# Altium PCB SmartHaloV1.PcbDoc (part 1 of 4) (continued)
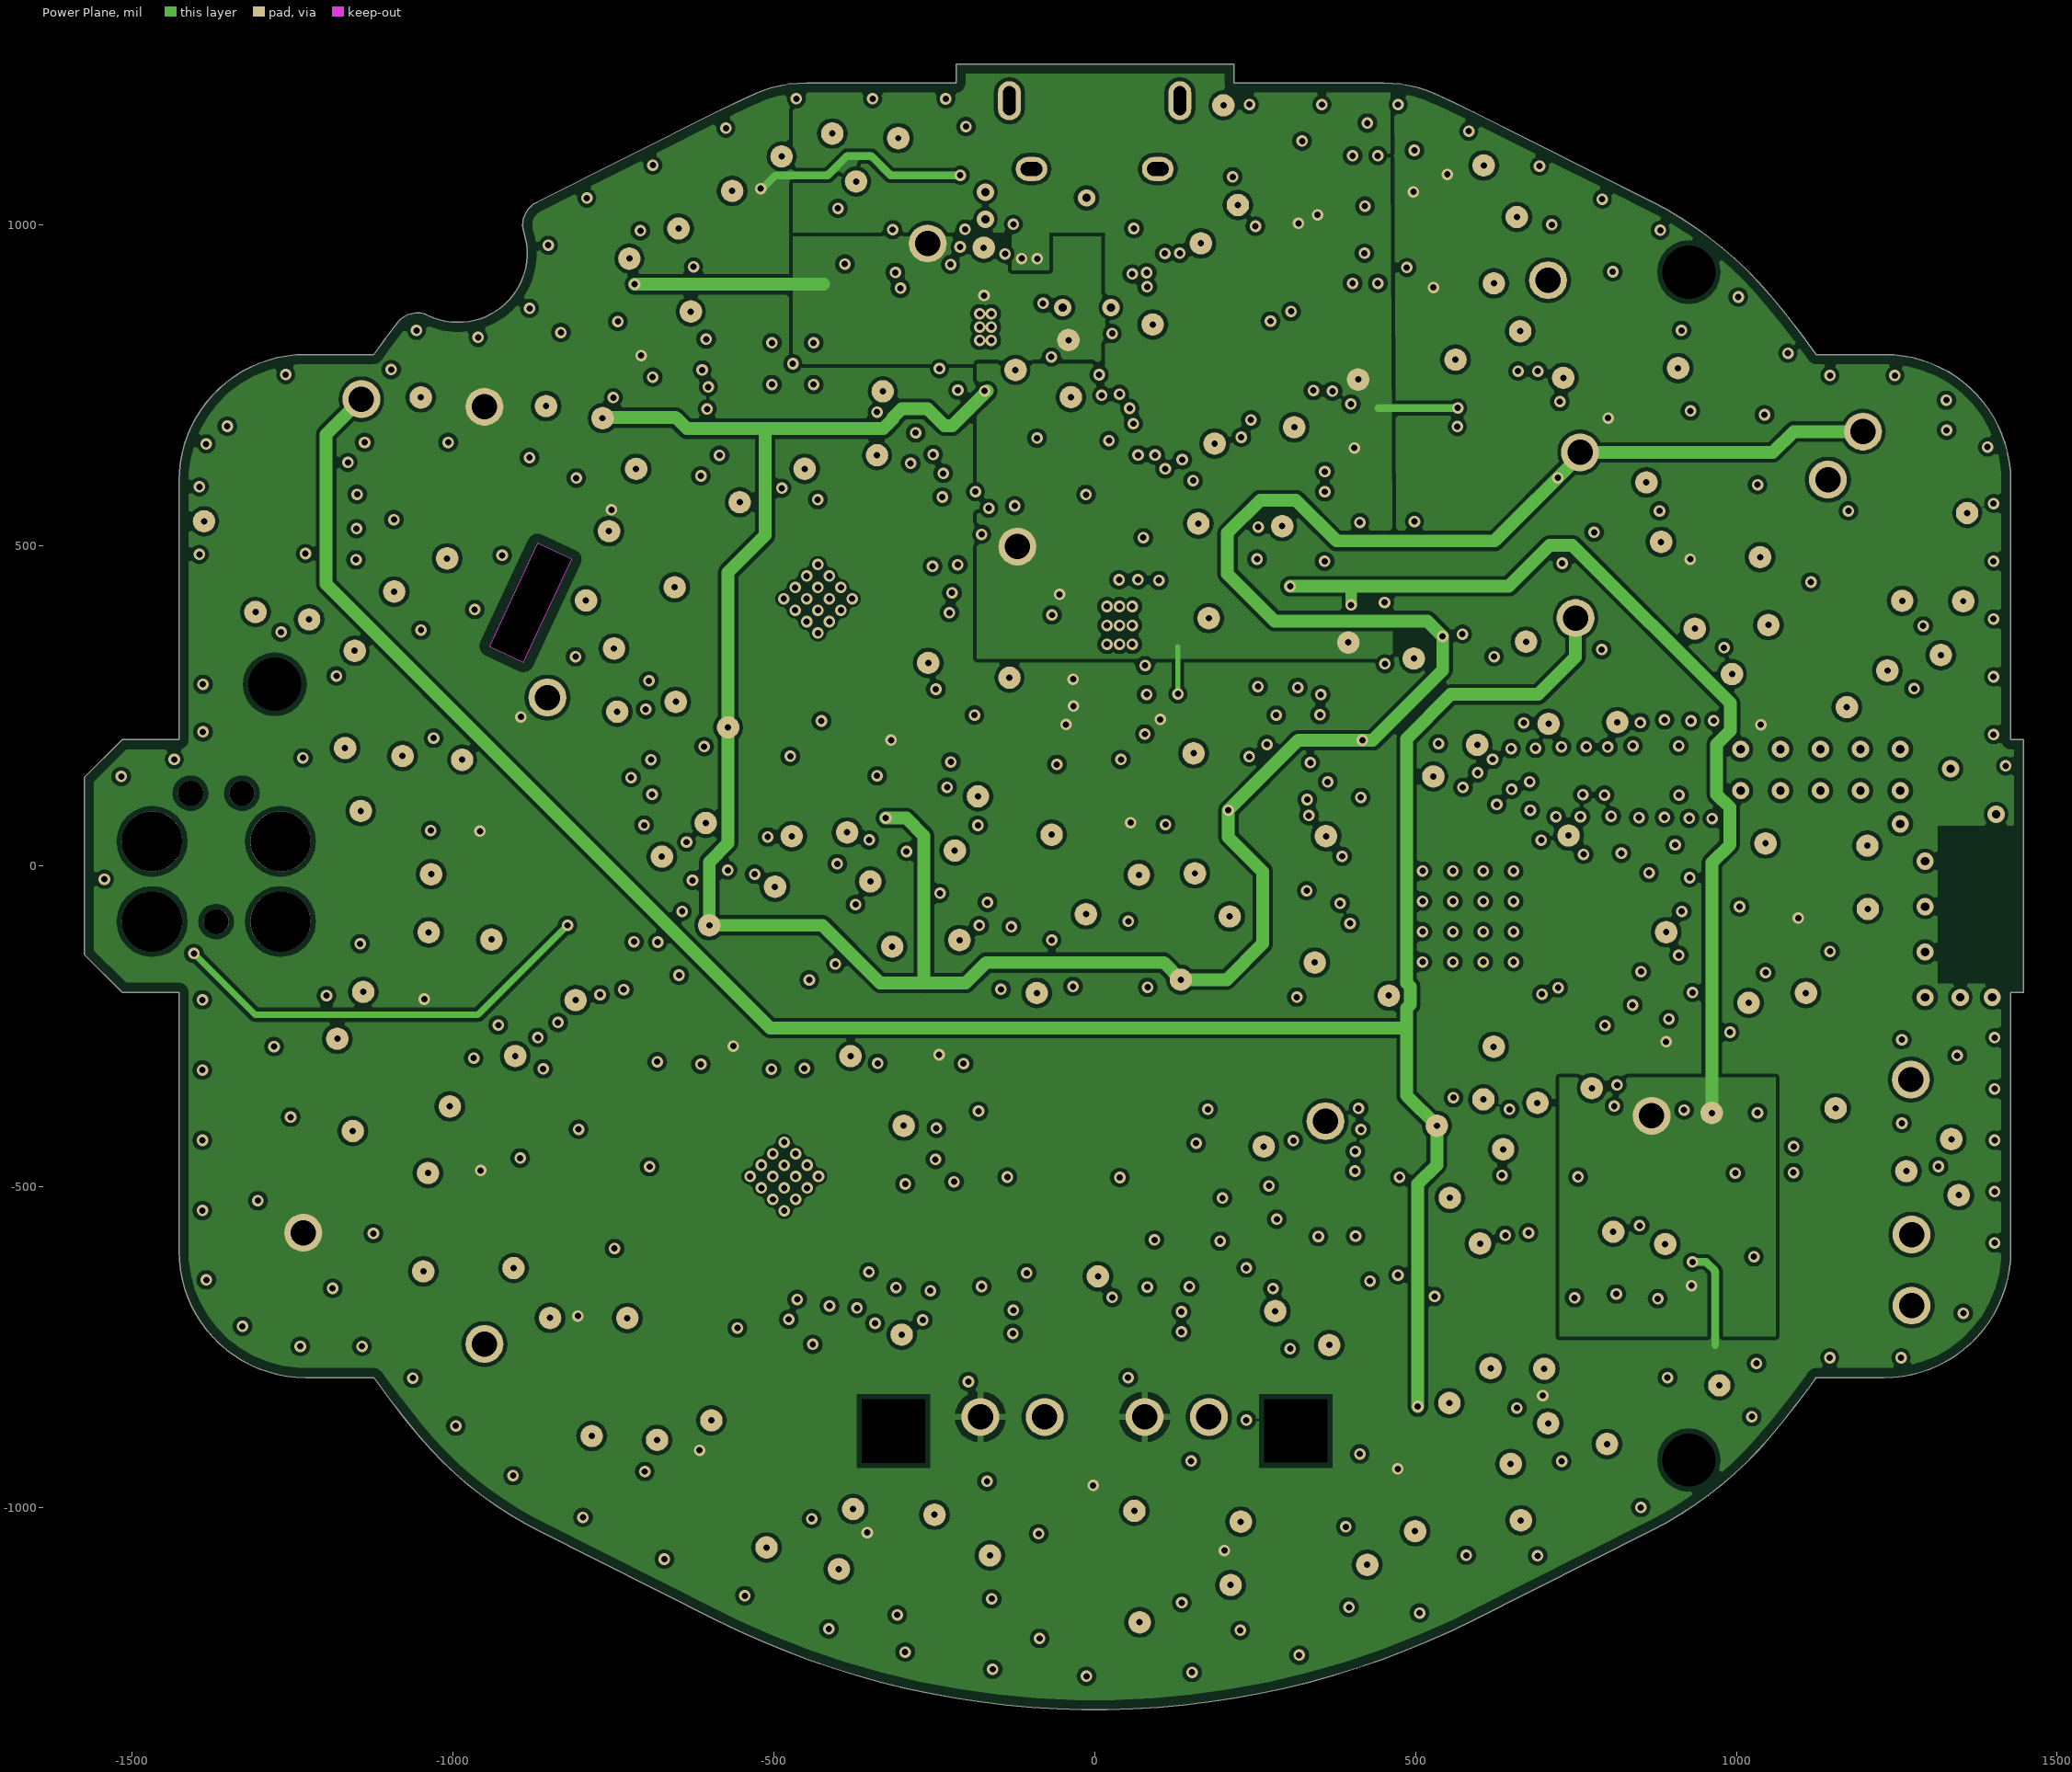
[diagram p3: Power Plane]

## Layer stack, top to bottom
Top Solder: solder mask 1, Solder Resist, Dk 4.8
Top Layer: signal copper 1.38
Prepreg Top: prepreg 6.811, 2116+1080, Dk 4.8
Ground Plane: signal copper 1.38
PCB Core: core 40.55, S1000-2, Dk 4.8
Power Plane: signal copper 1.38
Prepreg Bottom: prepreg 6.811, 2116+1080, Dk 4.8
Bottom Layer: signal copper 1.38
Bottom Solder: solder mask 1, Solder Resist, Dk 4.8

## Board outline
-1515.57,-196.65 -1426.63,-196.65 -1426.63,-600.19 ccw(c-1229.78,-600.19) -1229.78,-797.04 -1123.37,-797.04 ccw(c0.54,0.2) -1051.32,-889.95 ccw(c-600.52,-508.45) -865.74,-1036.1 -590.02,-1174.69 -590.05,-1174.69 ccw(c0.5,0.2) 591.05,-1174.69 591.09,-1174.69 866.81,-1036.1 866.77,-1036.1 ccw(c601.56,-508.45) 1052.35,-889.95 1052.39,-889.95 ccw(c0.54,0.2) 1110.21,-816.73 ccw(c0.54,0.2) 1124.44,-797.04 1230.52,-797.04 1230.52,-797.08 ccw(c1230.52,-599.9) 1427.7,-599.9 1427.7,-196.65 1447.7,-196.65 1447.7,197.05 1427.7,197.05 1427.7,600.59 1427.66,600.59 ccw(c1230.81,600.59) 1230.81,797.44 1124.44,797.44 ccw(c0.54,0.2) 1052.39,890.34 1052.35,890.34 ccw(c601.56,508.85) 866.77,1036.5 866.81,1036.5 591.09,1175.09 ccw(c0.54,0.2) 529.59,1204.04 ccw(c450.39,1023.82) 450.39,1220.67 217.07,1220.67 217.07,1250.2 -216,1250.2 -216,1220.67 -449.32,1220.67 -449.36,1220.67 ccw(c-449.36,1023.82) -528.56,1204.04 -528.52,1204.04 ccw(c0.54,0.2) -590.02,1175.09 -869.49,1034.61 ccw(c-851.81,999.44) -889.33,987.49 -889.36,987.49 cw(c-991.63,954.92) -1038.33,858.3 ccw(c-1055.46,822.85) -1086.52,847.04 -1086.48,847.04 ccw(c0.54,0.2) -1123.37,797.44 -1229.78,797.44 ccw(c-1229.78,600.59) -1426.63,600.59 -1426.63,197.05 -1515.53,197.05 -1574.58,138 -1574.58,-137.6
cut-out: -943.29,342.43 -889.77,317.47 -814.9,478.04 -868.42,502.99

## Design rules (kind name [scope] priority, off if disabled: settings)
AcuteAngle [All] p1: minimum=6.00000000000000E+0001 checktracksonly=TRUE
AssemblyTestPointUsage AssemblyTestPointUsage_NoTP [InNet('ANT') Or InNet('RF') Or InNet('NetC20_2')  Or InNet('P0.09/NFC1') Or InNet('P0.10/NFC2') Or InNet('XC_N') Or InNet('XC_P') Or InNet('XL_N') Or InNet('XL_P') Or InNet('USBD_IN_N') Or InNet('USBD_IN_P') Or InNet('USB_D_N') Or InNet('USB_D_P')] p1: valid=1
AssemblyTestPointUsage AssemblyTestPointUsage_Power [InNet('VDD_NRF') Or InNet('VLED') OR InNet('PGND') OR InNet('GND') OR InNet('VBZ') OR InNet('VUSB') Or InNet('VBAT') Or InNet('DGND') Or InNet('AGND') Or InNet('S2V8')] p2: allowmultiple=TRUE
AssemblyTestPointUsage [All] p3:
AssemblyTestpoint AssemblyTestpoint_TP [InComponent('TP*')] p1: testpointundercomponent=TRUE minsize=35 maxsize=59.06 preferedsize=35 minholesize=0 maxholesize=39.37 preferedholesize=10 testpointgrid=1 usegrid=FALSE gridoriginx=2810.98 gridoriginy=2760.98 gridtolerance=0.01 allowsidebottom=TRUE minspacing=83
AssemblyTestpoint AssemblyTestpoint_ShortComponents [((IsPad And (OnTopLayer Or OnBottomLayer)) Or (IsVia) Or (IsPad And OnMultiLayer)) And (IsComponent And (Height < 150))] p2: testpointundercomponent=TRUE minsize=35 maxsize=59.06 preferedsize=35 minholesize=0 maxholesize=39.37 preferedholesize=10 testpointgrid=1 usegrid=FALSE gridoriginx=2810.98 gridoriginy=2760.98 gridtolerance=0.01 allowsidebottom=TRUE minspacing=83 compbodyclearance=40
AssemblyTestpoint AssemblyTestpoint_TallComponents [(IsPad And (OnTopLayer Or OnBottomLayer)) Or (IsVia) Or (IsPad And OnMultiLayer)] p3: testpointundercomponent=TRUE minsize=35 maxsize=59.06 preferedsize=35 minholesize=0 maxholesize=39.37 preferedholesize=10 testpointgrid=1 usegrid=FALSE gridtolerance=0.01 allowsidebottom=TRUE minspacing=83 compbodyclearance=55
BoardOutlineClearance BoardOutlineClearance_Component [IsComponent] p1: gap=66
BoardOutlineClearance [All] p2: gap=15
Clearance Clearance_Hole_Copper [(HoleDiameter > 0) And (PadIsPlated = 'False')] p1: gap=8
Clearance Clearance_QFN-44 [HasFootprint('QFN-44')] p2: gap=4
Clearance Clearance_SOT563 [HasFootprint('SOT563')] p3: gap=4
Clearance Clearance_DFN10 [HasFootprint('DFN10')] p4: gap=4
Clearance [All] p5: gap=6
ComponentClearance ComponentClearance_COAXSWITCH [HasFootprint('COAXIAL-SWF') Or InComponent('TP*')] p1: gap=0 collisioncheckmode=3 verticalgap=0 showdistances=FALSE
ComponentClearance [All] p2: gap=10 collisioncheckmode=3 verticalgap=10 showdistances=FALSE
DiffPairsRouting DiffPairsRouting_USB [InDifferentialPair('USBD_IN') Or InDifferentialPair('USB_D')] p1: maxlimit=16 minlimit=9 mostfreqgap=11 toplayer_minwidth=7 toplayer_maxwidth=10 toplayer_prefwidth=8 midlayer1_minwidth=7 midlayer1_maxwidth=10 midlayer1_prefwidth=8 midlayer2_minwidth=7 midlayer2_maxwidth=10 midlayer2_prefwidth=8 bottomlayer_minwidth=7 bottomlayer_maxwidth=10 bottomlayer_prefwidth=8 maxuncoupledlength=500
DiffPairsRouting [Not InDifferentialPair('BZ_OUT')] p2: maxlimit=10 minlimit=6 mostfreqgap=8 toplayer_minwidth=6 toplayer_maxwidth=10 toplayer_prefwidth=8 midlayer1_minwidth=6 midlayer1_maxwidth=10 midlayer1_prefwidth=8 midlayer2_minwidth=6 midlayer2_maxwidth=10 midlayer2_prefwidth=8 bottomlayer_minwidth=6 bottomlayer_maxwidth=10 bottomlayer_prefwidth=8 maxuncoupledlength=500
FabricationTestPointUsage FabricationTestPointUsage_NoTP [InNet('ANT') Or InNet('RF') Or InNet('NetC20_2') Or InNet('P0.09/NFC1') Or InNet('P0.10/NFC2') Or InNet('XC_N') Or InNet('XC_P') Or InNet('XL_N') Or InNet('XL_P') Or InNet('USBD_IN_N') Or InNet('USBD_IN_P') Or InNet('USB_D_N') Or InNet('USB_D_P')] p1: valid=1 allowmultiple=FALSE
FabricationTestPointUsage FabricationTestPointUsage_Power [InNet('VDD_NRF') Or InNet('VLED') OR InNet('PGND') OR InNet('GND') OR InNet('VBZ') OR InNet('VUSB') Or InNet('VBAT') Or InNet('DGND') Or InNet('AGND') Or InNet('S2V8')] p2: valid=0 allowmultiple=TRUE
FabricationTestPointUsage [All] p3: valid=0 allowmultiple=FALSE
FabricationTestpoint FabricationTestpoint_TP [InComponent('TP*')] p1: side=2 testpointundercomponent=TRUE minsize=35 maxsize=59.06 preferedsize=35 minholesize=0 maxholesize=39.37 preferedholesize=10 testpointgrid=1 allowsidebottom=TRUE usegrid=FALSE gridtolerance=0.01 minspacing=83
FabricationTestpoint FabricationTestpoint_ShortComponents [((IsPad And (OnTopLayer Or OnBottomLayer)) Or (IsVia) Or (IsPad And OnMultiLayer)) And (IsComponent And (Height < 150))] p2: side=2 testpointundercomponent=TRUE minsize=35 maxsize=59.06 preferedsize=35 minholesize=0 maxholesize=39.37 preferedholesize=10 testpointgrid=1 allowsidebottom=TRUE usegrid=FALSE gridtolerance=0.01 minspacing=83 compbodyclearance=40
FabricationTestpoint FabricationTestpoint_TallComponents [(IsPad And (OnTopLayer Or OnBottomLayer)) Or (IsVia) Or (IsPad And OnMultiLayer)] p3: side=2 testpointundercomponent=TRUE minsize=35 maxsize=59.06 preferedsize=35 minholesize=0 maxholesize=39.37 preferedholesize=10 testpointgrid=1 allowsidebottom=TRUE usegrid=FALSE gridoriginx=2810.98 gridoriginy=2760.98 gridtolerance=0.01 minspacing=83 compbodyclearance=55
FanoutControl Fanout_LCC [IsLCC] p1: bgadir=Out bgaviamode=Centered fanoutstyle=Auto fanoutdirection=Alternating viagrid=1 // Fanout_LCC (Default Rule)
FanoutControl Fanout_BGA [IsBGA] p2: bgadir=Out bgaviamode=Centered fanoutstyle=Auto fanoutdirection=Alternating viagrid=1 // Fanout_BGA (Default Rule)
FanoutControl Fanout_Small [(CompPinCount < 5)] p3: bgadir=Out bgaviamode=Centered fanoutstyle=Auto fanoutdirection=OutThenIn viagrid=1 // Fanout_Small (Default Rule)
FanoutControl Fanout_SOIC [IsSOIC] p4: bgadir=Out bgaviamode=Centered fanoutstyle=Auto fanoutdirection=Alternating viagrid=1 // Fanout_SOIC (Default Rule)
Height HeightTop [OnTop] p1: minheight=0 maxheight=84.25 prefheight=78.74
Height HeightBottom [TouchesRoom('BatteryRoom')] p2: minheight=0 maxheight=78.74 prefheight=39.37
HoleSize [All] p1: absolutevalues=TRUE maxlimit=100 minlimit=10 maxpercent=80.000 minpercent=20.000
HoleToHoleClearance [All] p1: gap=6 allowstackedmicrovias=TRUE
MinimumAnnularRing [All] p1: minimumring=4
MinimumSolderMaskSliver MinimumSolderMaskSliver_QFN_DFN [IsVia And (HasFootprint('DSQ10-1500X900TP') Or HasFootprint('QFN-44')) vs IsVia And (HasFootprint('DSQ10-1500X900TP') Or HasFootprint('QFN-44'))] p1: minsoldermaskwidth=0
MinimumSolderMaskSliver MinimumSolderMaskSliver_QFN_DFN_1 [HasFootprint('QFN40P600X600X90-48N') Or HasFootprint('DSQ10-1500X900TP') Or HasFootprint('DRC10-2400X1650TP') Or HasFootprint('DRV6-1600X1000TP') Or HasFootprint('WDFN8') Or HasFootprint('59453061110ECHLF') Or HasFootprint('DFN10') vs HasFootprint('QFN40P600X600X90-48N') Or HasFootprint('DSQ10-1500X900TP') Or HasFootprint('DRC10-2400X1650TP') Or HasFootprint('DRV6-1600X1000TP') Or HasFootprint('WDFN8') Or HasFootprint('59453061110ECHLF') Or HasFootprint('DFN10')] p2: minsoldermaskwidth=0
MinimumSolderMaskSliver MinimumSolderMaskSliver_QFN_DFN_2 [IsPad And (HasFootprint('QFN-44')) vs IsPad And (HasFootprint('QFN-44'))] p3: minsoldermaskwidth=0
MinimumSolderMaskSliver [All] p4: minsoldermaskwidth=4
NetAntennae [Not (IsVia and (InNet('VLED') Or InNet('VBZ') Or InNet('S2V8') Or InNet('VDD_NRF') Or InNet('GND') Or InNet('VBAT') Or InNet('VUSB')))] p1: netantennaetolerance=0
PolygonConnect PolygonConnect_Direct [(IsVia And InNet('GND')) Or (IsVia And InNet('VLED')) Or (InNet('VBAT') Or InNet('VUSB') Or InNet('VDD_NRF') Or InNet('VBZ') Or InNet('S2V8') Or InNet('NetD2_2') Or InNet('NetD1_2')) Or HasFootprint('QFN-44') Or HasFootprint('COAXIAL-SWF') Or InNet('BZ_OUT_P') Or InNet('BZ_OUT_N') Or InNet('NetC62_1') Or InNet('NetC63_1') Or InComponent('NT*') Or InComponent('TP*')] p1: connectstyle=Direct reliefconductorwidth=10 reliefentries=4 polygonreliefangle="90 Angle" airgapwidth=10
PolygonConnect [All] p2: connectstyle=Relief reliefconductorwidth=10 reliefentries=4 polygonreliefangle="90 Angle" airgapwidth=10
RoomDefinition TopCentralLed [OnTop And Not InComponent('LED14') And Not InComponent('TP*')] p1: confinementstyle=ConfineOut formatcopy=TRUE lockcomponents=FALSE outline -216.55,-0.01 ccw(c-0.02,-0.01) -0.02,-216.54 ccw(c-0.02,-0.01) 216.52,-0.01 ccw(c-0.02,-0.01) -0.02,216.53 ccw(c-0.02,-0.01)
RoomDefinition TopComponents [OnTop And Not(InComponent('LED2') Or InComponent('LED3') Or InComponent('LED4') Or InComponent('LED5') Or InComponent('LED6') Or InComponent('LED7') Or InComponent('LED8') Or InComponent('LED9') Or InComponent('LED10') Or InComponent('LED11') Or InComponent('LED12') Or InComponent('LED13') Or InComponent('LED1') Or InComponent('LED15') Or InComponent('LED16') Or InComponent('LED17') Or InComponent('LED18') Or InComponent('LED19') Or InComponent('LED20') Or InComponent('LED21') Or InComponent('LED22') Or InComponent('LED23') Or InComponent('LED24') Or InComponent('LED25') Or InComponent('SB*') Or InComponent('TP*')Or InComponent('ANT1') Or InComponent('C7') Or InComponent('C6') Or InComponent('C5') Or InComponent('C4') Or InComponent('C46') Or InComponent('C43') Or InComponent('C45') Or InComponent('C44') Or InComponent('R1') Or InComponent('U1') Or InComponent('U11') Or InComponent('C1') Or InComponent('C2') Or InComponent('C3') Or InComponent('C11'))] p2: confinementstyle=ConfineIn formatcopy=TRUE lockcomponents=FALSE outline -994.11,-0.01 ccw(c-0.02,-0.01) -0.02,-994.1 ccw(c-0.02,-0.01) 994.08,-0.01 ccw(c-0.02,-0.01) -0.02,994.09 ccw(c-0.02,-0.01)
RoomDefinition BatteryRoom [False] p3: confinementstyle=ConfineOut formatcopy=TRUE lockcomponents=FALSE outline -1062.5,-817.2 -1062.5,934.6 1458.43,934.6 1458.43,-817.2
RoutingVias [All] p1: holewidth=13 width=27 viastyle="Through Hole" minholewidth=10 minwidth=18 maxholewidth=28 maxwidth=50
SilkToBoardRegionClearance SilkToBoardRegionClearance_1 [All] p2:
SolderMaskExpansion [All] p1: expansion=0
Width Width_RF [InNet('ANT') Or InNet('RF') Or InNet('NetC17_2')] p1 off: maxlimit=20 minlimit=10.43 preferedwidth=15 toplayer_maxwidth=10.43 toplayer_prefwidth=10.43 midlayer1_minwidth=12 midlayer2_minwidth=12 bottomlayer_maxwidth=10.43 bottomlayer_prefwidth=10.43 impedancedriven=TRUE minimp=0.000000 maximp=500.000000 favimp=200.000000
Width Width_Power [InNet('VBAT') Or InNet('VLED') Or InNet('VBZ') Or InNet('VDD_NRF') Or InNet('S2V8') Or InNet('AVDD') Or InNet('GND') Or InNet('AGND') Or InNet('PGND') Or InNet('DGND') Or InNet('VUSB') Or InNet('VBUS') Or InNet('USBGND')] p2: maxlimit=50 minlimit=8 preferedwidth=12
Width [All] p3: maxlimit=16 minlimit=6 preferedwidth=6
15 further rules are at their usual default settings.

## Classes and differential pairs
component class U_6_MISC: C56 C57 C58 C59 C60 C64 C65 C66 C67 C68 C69 C70 C? J5 NT1 NT6 Q1 R26 R32 R33 R36 R37 TP86 TP114 TP148 TP151 TP152 TP153 TP154 TP155 TP176 U16 U17 U18 U19 U20
component class U_4_LEDDRIVERS: C12 C15 C36 C37 D1 D2 Q2 R2 R3 R7 R11 R12 R14 R23 TP96 TP97 TP98 TP107 TP108 TP109 TP110 TP112 TP113 TP156 TP157 U2 U4 U6 U10
component class U_7_ALARM: C29 C33 C35 C38 C39 C40 C62 C63 C71 C? D4 J2 J3 Q3 Q4 Q5 Q6 Q7 Q8 R5 R21 R22 R24 R25 R27 R40 R41 R42 R43 TP125 TP126 TP127 TP128 TP129 TP130 TP131 TP132 TP133 TP134 TP135 TP136 TP137 TP138 TP139 TP140 U8 U9
component class U_3_BLE: ANT1 C11 C13 C14 C16 C17 C18 C19 C20 C21 C24 C25 C27 C31 C32 J1 J7 L1 L2 L3 L6 L7 R6 R10 R13 R16 R17 R20 R28 R29 R30 R31 R35 R39 TP62 TP63 TP77 TP78 TP79 TP115 TP142 TP143 TP144 TP145 TP146 TP147 TP149 TP150 TP158 TP159 TP160 TP161 TP162 TP163 TP164 TP165 TP167 TP168 TP178 U3 X1 X2
component class U_2_PWR: C23 C26 C28 C30 C34 C47 C48 C49 C50 C51 C52 C53 C54 C55 C61 C? D3 J4 L4 L5 R4 R8 R9 R15 R18 R19 R34 R38 RSENSE1 RT1 TP1 TP2 TP3 TP4 TP5 TP6 TP7 TP8 TP9 TP10 TP11 TP12 TP13 TP14 TP15 TP16 TP17 TP18 TP19 TP20 TP21 TP22 TP111 TP166 TP169 TP170 TP171 TP172 TP173 TP174 TP175 TP177 TP179 U5 U7 U12 U13 U14 U15
component class U_5_SENSORS: C1 C2 C3 C4 C5 C6 C7 C43 C44 C45 C46 C? J6 R1 SB1 TP64 TP65 TP75 TP76 TP100 TP101 TP102 TP103 TP104 TP141 U1 U11
component class U_8_LEDS: C8 C9 C10 C22 C41 C42 LED1 LED2 LED3 LED4 LED5 LED6 LED7 LED8 LED9 LED10 LED11 LED12 LED13 LED14 LED15 LED16 LED17 LED18 LED19 LED20 LED21 LED22 LED23 LED24 LED25 TP23 TP24 TP25 TP26 TP27 TP28 TP29 TP30 TP31 TP32 TP33 TP34 TP35 TP36 TP37 TP38 TP39 TP40 TP41 TP42 TP43 TP44 TP45 TP46 TP47 TP48 TP49 TP50 TP51 TP52 TP53 TP54 TP55 TP56 TP57 TP58 TP59 TP60 TP61 TP66 TP67 TP68 TP69 TP70 TP71 TP72 TP73 TP74 TP80 TP81 TP82 TP83 TP84 TP85 TP87 TP88 TP89 TP90 TP91 TP92 TP93 TP94 TP95 TP99 TP105 TP106 TP116 TP117 TP118 TP119 TP120 TP121 TP122 TP123 TP124
differential pair USBD_IN: +USBD_IN_P -USBD_IN_N
differential pair USB_D: +USB_D_P -USB_D_N
differential pair BZR_D: +BZR_D_P -BZR_D_N
differential pair SNS: +SNS_P -SNS_N
differential pair XC: +XC_P -XC_N
differential pair XL: +XL_P -XL_N

## Components (designator, comment, footprint, x,y, rotation, side; value= is the part's Value field where it differs from the comment)
ANT1 "2450AT42E010B" 2450AT42E010B 1372.6,-59.7 r90 top
C1 "DNP" Varitron_CAP0402 -1345.6,421.5 r90 top
C2 "1.0 uF" Varitron_CAP0603 -1288.2,727.2 r180 top
C3 "100 nF" Varitron_CAP0402 -1286.7,684.5 r180 top
C4 "10.0 nF" VARITRON_CAP0402 -1284.74,519.92 r0 top
C5 "DNP" VARITRON_CAP0402 -1284.64,479.39 r0 top
C6 "DNP" VARITRON_CAP0402 -1284.3,441.1 r0 top
C7 "DNP" VARITRON_CAP0402 -1372.1,341.1 r270 top
C8 "100 nF" Varitron_CAP0402 -959.29,-1.93 r270 top
C9 "100 nF" VARITRON_CAP0402 -935.11,218.87 r255 top
C10 "100 nF" Varitron_CAP0402 -779.6,571.6 r60 top
C11 "1.2 pF" VARITRON_CAP0402 1317.2,86.3 r0 top
C12 "100 nF" VARITRON_CAP0402 -338.96,-350.69 r135 top
C13 "100 pF" VARITRON_CAP0402 615.4,272.6 r0 top
C14 "12 pF" VARITRON_CAP0402 548.4,248.1 r270 top
C15 "1.0 uF" VARITRON_CAP0603 -293.08,-302.94 r135 top
C16 "DNP" VARITRON_CAP0402 615,228.5 r0 top
C17 "DNP" VARITRON_CAP0402 827.3,133.3 r90 top
C18 "1.0 uF" VARITRON_CAP0603 304.4,-44.5 r90 top
C19 "12 pF" VARITRON_CAP0402 397.1,249.1 r90 top
C20 "0.8 pF" VARITRON_CAP0402 704.7,133.1 r90 top
C21 "100 nF" VARITRON_CAP0402 458.8,87.2 r180 top
C22 "100 nF" Varitron_CAP0402 -55.1,-965.7 r180 top
C23 "4.7 uF" VARITRON_CAP0603 -225.7,915.9 r0 top
C24 "4.7 uF" VARITRON_CAP0805 236.4,-187.8 r180 top
C25 "100 nF" VARITRON_CAP0402 750.6,-218.4 r270 top
C26 "4.7 uF" VARITRON_CAP0603 -119.4,916.2 r180 top
C27 "100 nF" VARITRON_CAP0402 393.8,-207.3 r180 top
C28 "680 pF" VARITRON_CAP0402 224.3,539.2 r270 top
C29 "1.0 uF" VARITRON_CAP0603 473.3,-348 r180 bottom
C30 "4.7 uF" VARITRON_CAP0805 357.2,475.7 r90 top
C31 "12 pF" VARITRON_CAP0402 195.8,-331.3 r0 top
C32 "12 pF" VARITRON_CAP0402 195.6,-279.2 r0 top
C33 "100 nF" VARITRON_CAP0402 472.01,-396.81 r180 bottom
C34 "4.7 uF" VARITRON_CAP0805 398.5,690.7 r180 top
C35 "1 nF" VARITRON_CAP0402 354,-461.8 r180 bottom
C36 "1.0 uF" VARITRON_CAP0603 -248.52,223.94 r45 top
C37 "100 nF" VARITRON_CAP0402 -295.6,271.71 r45 top
C38 "100 nF" VARITRON_CAP0402 474.65,-662.75 r180 bottom
C39 "1 nF" VARITRON_CAP0402 354.1,-690 r180 bottom
C40 "1.0 uF" VARITRON_CAP0603 474.3,-710 r180 bottom
C41 "100 nF" Varitron_CAP0402 928.06,-257.4 r75 top
C42 "100 nF" Varitron_CAP0402 412.5,850.9 r180 top
C43 "100 nF" VARITRON_CAP0402 1214.6,532.5 r90 top
C44 "10 uF" VARITRON_CAP0805 1287.98,626.23 r0 top
C45 "100 nF" VARITRON_CAP0402 1287.98,560.52 r0 top
C46 "220 nF" VARITRON_CAP0402 1363.1,482 r90 top
C47 "10 uF" Varitron_CAP0805 675.8,441 r90 bottom
C48 "10 uF" Varitron_CAP0805 444.8,412 r90 bottom
C49 "10 uF" VARITRON_CAP0805 675.8,687 r90 bottom
C50 "1.0 uF" Varitron_CAP0603 310.4,797.5 r90 bottom
C51 "100 nF" Varitron_CAP0402 262.4,798.5 r90 bottom
C52 "10 uF" VARITRON_CAP0805 457.18,667.84 r90 bottom
C53 "47 uF" Varitron_CAP1206 -22.5,268.1 r0 bottom
C54 "10 uF" VARITRON_CAP0805 -2.1,495.2 r0 bottom
C55 "100 nF" VARITRON_CAP0402 16.7,203.1 r0 bottom
C56 "4.7 uF" VARITRON_CAP0603 -284,801.5 r270 bottom
C57 "1.0 uF" VARITRON_CAP0603 -337.1,923.8 r270 bottom
C58 "100 nF" VARITRON_CAP0402 -332.3,801.4 r270 bottom
C59 "100 nF" Varitron_CAP0402 -649.1,729.9 r90 bottom
C60 "4.7 uF" Varitron_CAP0603 -717.9,729.7 r90 bottom
C61 "220 nF" Varitron_CAP0402 181.1,710.5 r180 bottom
C62 "DNP" Varitron_CAP0402 749.8,-592 r0 bottom
C63 "DNP" Varitron_CAP0402 753.6,-402.9 r0 bottom
C64 "220 nF" Varitron_CAP0402 -644,132.7 r270 bottom
C65 "100 nF" Varitron_CAP0402 -309.53,125.1 r90 bottom
C66 "1.0 uF" Varitron_CAP0603 -267.33,128.3 r90 bottom
C67 "100 nF" Varitron_CAP0402 -490.4,199.1 r0 bottom
C68 "1.0 uF" Varitron_CAP0603 -491,245.5 r0 bottom
C69 "100 nF" Varitron_CAP0402 -505.4,-93.6 r90 bottom
C70 "1.0 uF" Varitron_CAP0603 -550.17,-85.3 r90 bottom
C71 "4.7 uF" Varitron_CAP0805 1001.3,-438.1 r0 bottom
D1 "C503D-WAN-CDaEa232-0AH" FRONTLED_PADS -127.95,-858.39 r0 top locked
D2 "C503D-WAN-CDaEa232-0AH" FRONTLED_PADS 127.95,-858.39 r0 top locked
D3 "MBR0540T1G" ONSC-SOD-123-2-425-04_V 389,356.6 r0 top
D4 "BAS21DW5T1G" SC70-5 354.51,-576.44 r90 bottom
J1 "DNP" COAXIAL-SWF 911.4,153 r90 top
J2 "709296001002006" 709296001002006 1071.1,-679.2 r0 bottom locked
J3 "709296001002006" 709296001002006 1071.1,-541 r0 bottom locked
J4 "BM02(3)B-ADHSS-GAN-ETB" BM02(3)B-ADHSS-GAN-ETB 287.8,1007.87 r180 bottom locked
J5 "10118194-0001LF" 10118194-0001LF 0,1087.6 r0 bottom locked
J6 "59453-061110ECHLF" 59453061110ECHLF -1239.53,578.11 r245 bottom locked
J7 "#NAME?" JLINK_6PIN_NEEDLE_ADAPTER -1368.9,13.6 r90 bottom locked
L1 "3.9 nH" VARITRON_IND0402 768.3,153 r0 top
L2 "15 nH" VARITRON_IND0402 249.1,-54.3 r90 top
L3 "10 uH" VARITRON_IND0603 279.2,-125.2 r0 top
L4 "10 uH" SRN5020-100M 582.6,540.3 r270 top
L5 "2.2 uH" SRN3015-2R2M -130.1,400.6 r270 bottom
LED1 "LTSN-N213EGBW" LTSN-N213EGBW -1120.08,0 r180 top locked
LED2 "LTSN-N213EGBW" LTSN-N213EGBW -1081.93,-289.92 r195 top locked
LED3 "LTSN-N213EGBW" LTSN-N213EGBW -1081.93,289.88 r165 top locked
LED4 "LTSN-N213EGBW" LTSN-N213EGBW -970.04,-560.04 r210 top locked
LED5 "LTSN-N213EGBW" LTSN-N213EGBW -970.04,560.04 r150 top locked
LED6 "LTSN-N213EGBW" LTSN-N213EGBW -792.05,-792.01 r225 top locked
LED7 "LTSN-N213EGBW" LTSN-N213EGBW -792.05,792.01 r135 top locked
LED8 "LTSN-N213EGBW" LTSN-N213EGBW -560.04,-970.04 r240 top
LED9 "LTSN-N213EGBW" LTSN-N213EGBW -560.04,970 r120 top locked
LED10 "LTSN-N213EGBW" LTSN-N213EGBW -289.92,-1081.93 r255 top locked
LED11 "LTSN-N213EGBW" LTSN-N213EGBW -289.92,1081.89 r105 top locked
LED12 "LTSN-N213EGBW" LTSN-N213EGBW 0,-1120.08 r270 top
LED13 "LTSN-N213EGBW" LTSN-N213EGBW 0,1120.08 r90 top locked
LED14 "LTSN-N213EGBW" LTSN-N213EGBW 0,0 r180 top locked
LED15 "LTSN-N213EGBW" LTSN-N213EGBW 289.88,-1081.93 r285 top
LED16 "LTSN-N213EGBW" LTSN-N213EGBW 289.88,1081.89 r75 top locked
LED17 "LTSN-N213EGBW" LTSN-N213EGBW 560.04,-970.04 r300 top locked
LED18 "LTSN-N213EGBW" LTSN-N213EGBW 560.04,970 r60 top locked
LED19 "LTSN-N213EGBW" LTSN-N213EGBW 792.01,-792.01 r315 top locked
LED20 "LTSN-N213EGBW" LTSN-N213EGBW 792.01,792.01 r45 top locked
LED21 "LTSN-N213EGBW" LTSN-N213EGBW 970,-560.04 r330 top locked
LED22 "LTSN-N213EGBW" LTSN-N213EGBW 970,560.04 r30 top locked
LED23 "LTSN-N213EGBW" LTSN-N213EGBW 1081.89,-289.92 r345 top locked
LED24 "LTSN-N213EGBW" LTSN-N213EGBW 1081.89,289.88 r15 top locked
LED25 "LTSN-N213EGBW" LTSN-N213EGBW 1120.08,0 r0 top locked
NT1 "NetTiePWR" NetTiePWR -2.1,850.1 r270 bottom net-tie